# KiCad board arena_10_of_10_v1r1.kicad_pcb (continued)
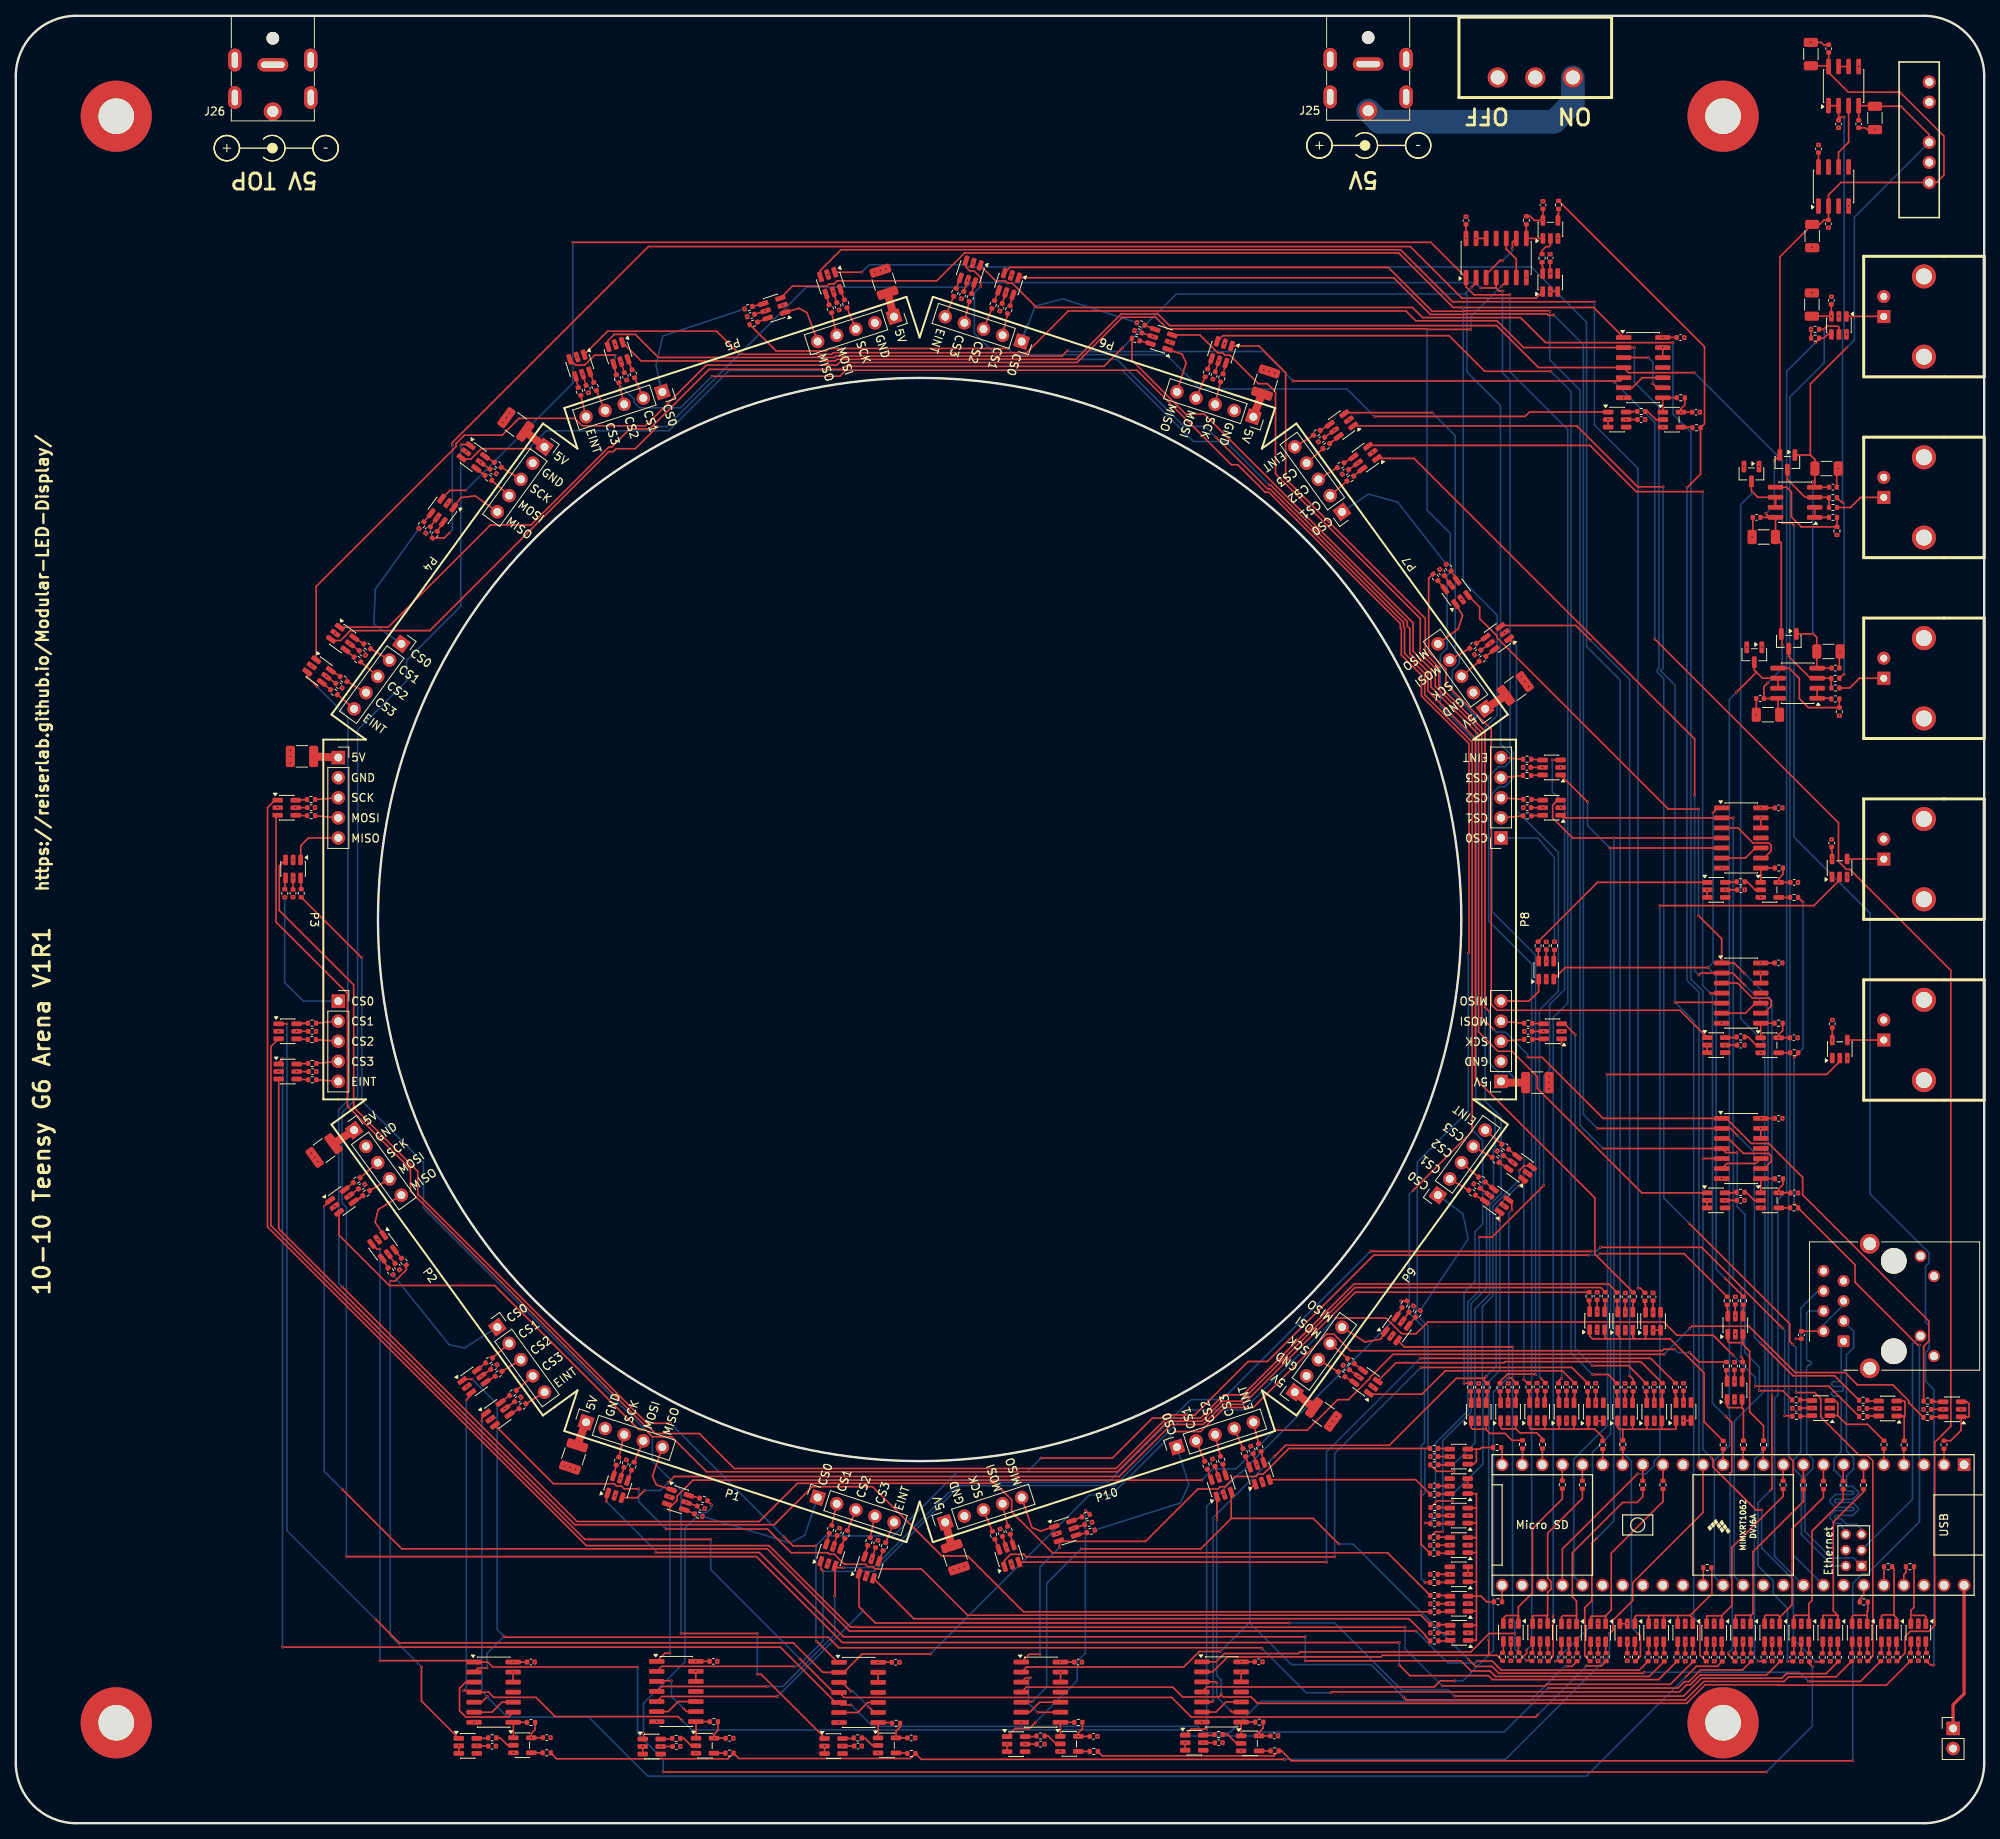
[diagram p0: board, top side]
## Routing (per net, layer and track width the routed paths; a pad name or vN(x,y) marks a point on that pad's centre or on a via; arc(x,y) is an arc through that point) (continued)
/Fan Out/PAN.CS_03_P1: length 165.4
  Top w0.2: U89.5 81.69,16.03 v1(96.31,16.03) ; v1(181.95,16.07) 210.88,16.07 213.15,18.34 223.33,18.34 223.91,18.92 228.92,18.92 R54.2 ; v1(161.04,25.32) 108.69,25.32 v1(107.04,26.97) 106.64,27.37 U45.1
  Bottom w0.2: v1(161.04,25.32) 166.78,25.32 175.22,16.88 181.14,16.88 v1(181.95,16.07) ; v1(107.04,26.97) 107.04,26.75 v1(96.31,16.03)
/Fan Out/PAN.CS_03_P6: length 269.6
  Top w0.2: U65.1 123.92,195.07 125.11,195.07 125.4,194.78 126.01,194.78 129.08,191.71 176.62,191.71 177.9,190.43 190.29,190.43 193.45,187.26 v1(209.56,187.26) ; R55.2 228.4,20.43 v1(227.63,20.43) ; U99.5 v1(213.36,84.07) ; v1(214.44,46.18) 214.63,45.99 214.63,45.05 220.07,39.61 v1(220.78,39.61)
  Bottom w0.2: v1(227.63,20.43) 224.79,23.27 224.79,30.8 220.78,34.81 v1(220.78,39.61) ; v1(209.56,187.26) 209.56,178.22 211.83,175.95 211.83,106.75 213.36,105.22 v1(213.36,84.07) 213.36,47.27 v1(214.44,46.18)
/Fan Out/PAN.CS_04_P2: length 257
  Top w0.2: U47.3 45.64,72.62 v1(46.05,72.62) ; v1(227.18,19.82) 226.82,20.18 R56.2 ; v1(46.05,20.56) 57.78,20.56 U91.1 59.67,20.39 60.31,19.75 v1(78.63,19.75) ; v1(81.87,6.47) v1(221.38,6.47)
  Bottom w0.2: v1(78.63,19.75) 78.63,11.33 81.87,8.09 v1(81.87,6.47) ; v1(46.05,72.62) v1(46.05,20.56) ; v1(227.18,19.82) 227.18,12.28 v1(221.38,6.47)
/Fan Out/PAN.CS_04_P7: length 157
  Top w0.2: v1(212.8,128.27) 208.98,128.27 187.33,149.92 187.33,150.14 185.12,152.36 185.12,153.82 U67.3 ; v1(222.09,54.12) 222.09,42.3 v1(221.89,42.09) ; v1(212.8,114.79) 215.71,111.87 U102.1 217.29,108.8 v1(218.65,107.45) ; R57.2 v1(224.04,20.48)
  Bottom w0.2: v1(224.04,20.48) 224.04,27.21 222.25,29 222.25,30.63 220.3,32.58 220.3,40.51 v1(221.89,42.09) ; v1(212.8,114.79) v1(212.8,128.27) ; v1(222.09,54.12) 222.09,104.01 v1(218.65,107.45)
/Fan Out/PAN.CS_05_P2: length 208.3
  Top w0.2: v1(59.6,19.63) 58.46,19.63 U91.2 ; v1(166.27,16.49) 166.39,16.61 210.4,16.61 211.3,17.51 211.75,17.51 213,18.75 221.4,18.75 R58.2 ; U48.1 56.64,56.15 v1(57.71,56.15) ; v1(157.61,22.08) 157.5,22.19 104.07,22.19 102.74,23.52 61.85,23.52 v1(61.74,23.63)
  Bottom w0.2: v1(166.27,16.49) 163.2,16.49 v1(157.61,22.08) ; v1(57.71,56.15) 60.87,53 60.87,24.5 v1(61.74,23.63) 59.6,21.48 v1(59.6,19.63)
/Fan Out/PAN.CS_05_P7: length 179.9
  Top w0.2: v1(212.83,107.28) 213.08,107.53 U102.2 217.13,107.53 v1(218.65,106.01) ; U68.1 176.82,172.62 212.3,137.13 v1(212.3,130.02) ; R59.2 v1(220.37,20.48)
  Bottom w0.2: v1(220.37,20.48) 219.87,20.98 219.87,46.03 221.58,47.74 221.58,103.07 v1(218.65,106.01) ; v1(212.3,130.02) 212.3,107.81 v1(212.83,107.28)
/Fan Out/PAN.CS_06_P2: length 207.2
  Top w0.2: R60.2 218.36,19.38 213.06,19.38 211.59,17.91 211.02,17.91 210.2,17.09 v1(193.78,17.09) ; v1(84.27,12.97) 83.76,13.49 68.2,13.49 65.78,15.91 60.45,15.91 59.78,16.58 U91.4 57.75,16.78 v1(56.59,16.78) ; v1(56.97,53.54) 57.59,54.16 U48.3
  Bottom w0.2: v1(84.27,12.97) 85.44,11.8 147.4,11.8 148.17,11.03 156.53,11.03 157.02,11.53 188.22,11.53 v1(193.78,17.09) ; v1(56.97,53.54) 56.97,17.15 v1(56.59,16.78)
/Fan Out/PAN.CS_06_P7: length 196.4
  Top w0.2: U68.3 171.12,174.26 199.07,174.26 204.92,168.42 v1(213.32,168.42) ; v1(216.79,44.23) 217,44.45 217,50.68 v1(216.26,51.42) ; v1(216.6,21.57) 216.6,21.27 R61.2 ; U102.4 v1(214.28,104.99)
  Bottom w0.2: v1(216.6,21.57) 217.07,22.04 217.07,30.89 216.79,31.18 v1(216.79,44.23) ; v1(213.32,168.42) 213.32,105.95 v1(214.28,104.99) 214.55,104.72 214.55,53.13 v1(216.26,51.42)
/Fan Out/PAN.CS_07_P2: length 204.7
  Top w0.2: v1(58.93,50.89) 58.93,51.32 U49.1 ; v1(211.21,18.53) 212.52,19.85 215.18,19.85 R62.2 ; 57.95,15.31 58.91,15.31 v1(59.62,16.01)
  Bottom w0.2: v1(58.93,50.89) 58.93,16.71 v1(59.62,16.01) 59.62,15.95 62.15,13.42 72.43,13.42 79.91,5.95 198.63,5.95 v1(211.21,18.53)
/Fan Out/PAN.CS_07_P7: length 199.4
  Top w0.2: R63.2 212.98,21.27 v1(212.98,25.23) ; v1(209.82,103.82) 215.61,103.82 U102.5 ; U69.1 197.4,176.73 205.11,169.02 v1(208.32,169.02)
  Bottom w0.2: v1(208.32,169.02) 208.32,146.09 208.03,145.81 208.03,145.72 209.82,143.93 v1(209.82,103.82) 212.18,101.46 212.18,26.02 v1(212.98,25.23)
/Fan Out/PAN.CS_08_P3: length 267.5
  Top w0.2: v1(200.34,72.04) 210.97,72.04 R64.2 ; v1(101.17,35.08) 98.28,35.08 v1(97.14,36.21) ; v1(82.78,50.57) 79.82,50.57 50.83,79.57 50.83,82.45 42.72,90.56 42.72,106.04 33.32,115.44 33.32,121.04 34.11,121.84 ; v1(129.65,46.18) 138.69,46.18 143.74,51.24 144.96,51.24 145.36,51.64 149.09,51.64 155.85,58.4 158.29,58.4 171.73,71.85 v1(198.88,71.85) ; U94.1 103.93,20.35 v1(101.27,23.01)
  Bottom w0.2: v1(129.65,46.18) 127.86,44.4 119.04,44.4 110.98,36.34 102.44,36.34 v1(101.17,35.08) 101.17,23.11 v1(101.27,23.01) ; v1(198.88,71.85) 200.15,71.85 v1(200.34,72.04) ; v1(97.14,36.21) v1(82.78,50.57)
/Fan Out/PAN.CS_08_P8: length 84.8
  Top w0.2: v1(214.63,127.79) 215.27,128.43 U103.1 ; v1(216.17,68.92) R65.2 ; 194.49,106.77 195.94,108.22 v1(213.98,108.22)
  Bottom w0.2: v1(216.17,68.92) 215.02,70.07 215.02,107.18 v1(213.98,108.22) 214.63,108.87 v1(214.63,127.79)
/Fan Out/PAN.CS_09_P3: length 273.9
  Top w0.2: R66.2 212.87,58.33 v1(211.67,59.52) ; v1(209.76,59.94) 208.4,59.94 208.21,59.76 168.77,59.76 166.68,61.85 165.76,61.85 156.48,52.57 152.86,52.57 149.83,49.54 v1(146.56,49.54) ; v1(115.67,21.41) 107.03,21.41 104.7,19.08 U94.2 102.05,19.08 98.33,22.8 48.49,22.8 v1(45.52,25.77) ; U52.1 v1(34.28,101.11)
  Bottom w0.2: v1(45.52,25.77) 34.28,37.02 v1(34.28,101.11) ; v1(211.67,59.52) 210.18,59.52 v1(209.76,59.94) ; v1(115.67,21.41) 135.76,41.5 138.53,41.5 v1(146.56,49.54)
/Fan Out/PAN.CS_09_P8: length 91.3
  Top w0.2: R67.2 218.38,58.8 v1(218.18,58.99) ; U72.1 195.7,127.16 v1(217.19,127.16)
  Bottom w0.2: v1(217.19,127.16) 217.19,68.82 218.18,67.83 v1(218.18,58.99)
/Fan Out/PAN.CS_10_P3: length 223.8
  Top w0.2: v1(87.88,35.89) 71.96,35.89 32.26,75.6 32.26,98.23 U52.3 ; v1(99.16,20.8) 103.41,16.54 U94.4 104.74,15.9 146.18,15.9 148.65,13.43 192.19,13.43 v1(192.47,13.71) ; R68.2 200.52,19.9 v1(198.58,19.9)
  Bottom w0.2: v1(192.47,13.71) 198.58,19.82 v1(198.58,19.9) ; v1(87.88,35.89) 87.88,32.08 v1(99.16,20.8)
/Fan Out/PAN.CS_10_P8: length 131.2
  Top w0.2: U103.4 v1(202.07,124.62) 196.87,124.62 194.35,127.14 194.35,128.75 194.99,129.39 U72.3 ; v1(199.92,36.04) 199.31,35.44 199.31,28.13 198.41,27.23 198.41,21.17 R69.2
  Bottom w0.2: v1(202.07,124.62) 202.09,124.6 202.09,38.22 v1(199.92,36.04)
/Fan Out/PAN.CS_11_P3: length 247.3
  Top w0.2: v1(196.12,19.84) 196.78,19.84 R70.2 ; v1(33.73,22.27) 96.68,22.27 103.68,15.27 U94.5 104.41,14.96 v1(105.62,14.96) ; U53.1 33.25,96.22 v1(33.73,96.7)
  Bottom w0.2: v1(105.62,14.96) 108.34,12.24 149.45,12.24 150.26,11.43 153.48,11.43 157.47,15.42 191.44,15.42 195.86,19.84 v1(196.12,19.84) ; v1(33.73,96.7) v1(33.73,22.27)
/Fan Out/PAN.CS_11_P8: length 132.5
  Top w0.2: v1(198.76,129.17) U73.1 ; U103.5 v1(201.58,123.35) ; R71.2 v1(194.68,20.49)
  Bottom w0.2: v1(194.68,20.49) 199.39,25.2 199.39,46.94 201.69,49.24 201.69,123.24 v1(201.58,123.35) 198.76,126.17 v1(198.76,129.17)
/Fan Out/PAN.CS_12_P4: length 339.3
  Top w0.2: R72.2 194.42,21.12 v1(194.42,26.23) ; U55.3 54.9,168.58 v1(56.88,168.58) ; v1(188.94,193.35) 188.9,193.31 184.41,193.31 183.4,194.33 U95.1 178.94,199.95 v1(70.43,199.95)
  Bottom w0.2: v1(56.88,168.58) 70.43,182.12 v1(70.43,199.95) ; v1(188.94,193.35) 188.94,183.59 196.26,176.27 196.26,103.74 194.42,101.89 v1(194.42,26.23)
/Fan Out/PAN.CS_12_P9: length 97.1
  Top w0.2: v1(190.99,20.59) 191.65,20.59 R73.2 ; U106.1 151.78,20.41 152.83,21.46 162.19,21.46 162.4,21.66 183.99,21.66 186.33,24 v1(189.57,24) ; v1(189.28,60.24) 175.58,60.24 U75.3
  Bottom w0.2: v1(189.28,60.24) 189.28,25.79 189.57,25.49 v1(189.57,24) 189.57,22.01 v1(190.99,20.59)
/Fan Out/PAN.CS_13_P4: length 342.2
  Top w0.2: v1(139.96,186.61) 137.6,184.26 104.89,184.26 104.51,183.88 87.67,183.88 80.14,176.34 77.65,176.34 75.35,174.05 74.99,174.05 65.14,164.2 60.02,164.2 47.09,151.28 U56.1 ; 184.66,195.5 184.66,194.85 v1(184.11,194.29) ; R74.2 191.06,21.48 v1(191.06,21.91)
  Bottom w0.2: 183.36,193.41 146.75,193.41 v1(139.96,186.61) ; 183.36,193.41 183.36,193.54 v1(184.11,194.29) ; 183.36,193.41 183.52,193.25 183.52,183.54 187.75,179.31 187.75,136.47 188.97,135.26 188.97,134.3 188.29,133.63 187.51,133.63 186.25,132.37 186.25,114.11 191.69,108.67 191.69,22.54 v1(191.06,21.91)
/Fan Out/PAN.CS_13_P9: length 95.9
  Top w0.2: 186.26,21.23 172.83,21.23 172.63,21.04 153.26,21.04 151.36,19.14 U106.2 ; 186.26,21.23 v1(186.26,23.18) ; 186.26,21.23 187.31,21.23 R75.2 ; v1(187.67,76.19) 187.67,77.29 U76.1
  Bottom w0.2: v1(187.67,76.19) 187.67,57.25 186.26,55.85 v1(186.26,23.18)
/Fan Out/PAN.CS_14_P4: length 315.3
  Top w0.2: v1(188,193.79) 187.59,193.79 187.2,194.18 ; U95.4 187.2,195.49 187.2,194.18 ; v1(192.18,56.71) 192.09,56.8 188.63,56.8 187.69,55.86 R76.2 ; 187.2,194.18 v1(185.27,194.18) ; v1(81.13,176.63) 78.35,173.85 75.92,173.85 75.55,173.48 74.99,173.48 52.35,150.84 42.33,150.84 41.06,149.58 40.01,149.58 U56.3
  Bottom w0.2: v1(81.13,176.63) 82.33,176.63 99.98,194.28 120.21,194.28 120.78,194.85 184.59,194.85 v1(185.27,194.18) ; v1(192.18,56.71) 192.18,109.81 186.67,115.33 186.67,130.19 187.56,131.09 188.29,131.09 189.37,132.16 189.37,135.42 188.97,135.83 188.97,182.48 188,183.45 v1(188,193.79)
/Fan Out/PAN.CS_14_P9: length 98.5
  Top w0.2: v1(188.8,56.29) 189.11,56.29 R77.2 ; U106.4 150.63,17.24 179.37,17.24 180.14,18 v1(181.95,18) ; U76.3 189.18,78.43 v1(189.18,77.56)
  Bottom w0.2: v1(189.18,77.56) 188.8,77.18 v1(188.8,56.29) 188.63,56.29 186.86,54.52 186.86,21.85 183.01,18 v1(181.95,18)
/Fan Out/PAN.CS_15_P4: length 318.5
  Top w0.2: v1(187.85,194.38) 188.47,195.01 U95.5 ; U57.1 37.98,156.43 55.68,174.13 55.68,174.51 56.74,175.56 61.5,175.56 63.63,177.68 70.68,177.68 71.63,176.74 77.48,176.74 77.48,176.74 79.63,176.74 87.31,184.42 103.83,184.42 104.16,184.75 134.21,184.75 139.93,190.47 144.15,190.47 145.6,189.01 178.39,189.01 v1(178.47,188.94) v1(184,188.94) ; R78.2 v1(183.14,55.64)
  Bottom w0.2: v1(178.47,188.94) 178.47,166.07 181.41,163.12 181.41,158.26 180.99,157.84 180.99,148.6 180.15,147.76 180.15,141.28 184.19,137.25 184.19,87.65 185.5,86.35 185.5,75.77 184.53,74.8 184.53,68.51 183.14,67.12 v1(183.14,55.64) ; v1(184,188.94) 184,190.53 v1(187.85,194.38)
/Fan Out/PAN.CS_15_P9: length 94.3
  Top w0.2: U106.5 151.27,15.33 v1(151.41,15.47) ; 185.69,56.26 185.69,56.01 R79.2 ; 185.69,56.26 182.17,56.26 173.7,47.8 160.56,47.8 v1(159.13,46.36) ; 185.69,56.26 v1(185.94,56.52) ; v1(190.17,80.57) 190.62,81.02 U77.1
  Bottom w0.2: v1(190.17,80.57) 189.95,80.57 187.2,77.81 187.2,57.77 v1(185.94,56.52) ; v1(151.41,15.47) 151.41,38.64 v1(159.13,46.36)
/Fan Out/PAN.CS_16_P5: length 269.7
  Top w0.2: R80.2 179.7,44.5 v1(181.89,44.5) ; U98.1 199.52,191.71 v1(183.04,191.71) 181.78,191.71 174.88,198.61 119.98,198.61 116.45,195.08 103.86,195.08 103.47,194.7 102.86,194.7 102.57,194.4 98.2,194.4 96.69,192.89
  Bottom w0.2: v1(181.89,44.5) 181.89,45.48 184.51,48.09 184.51,65.05 186.39,66.93 186.39,78.21 187.84,79.65 187.84,89.29 185.81,91.31 185.81,138.6 187.33,140.12 187.33,152.8 183.04,157.08 v1(183.04,191.71)
/Fan Out/PAN.CS_16_P10: length 69.9
  Top w0.2: v1(129.51,21.36) 128.13,21.36 U107.1 ; 131.98,35.64 142.87,35.64 149.49,42.27 152,42.27 152.3,42.56 152.91,42.56 154.2,43.85 156.84,43.85 157.13,44.14 157.75,44.14 161,47.4 178.85,47.4 R81.2 ; 131.98,35.64 v1(131.98,34.85) ; 131.98,35.64 131.91,35.71
  Bottom w0.2: v1(131.98,34.85) 129.51,32.38 v1(129.51,21.36)
/Fan Out/PAN.CS_17_P5: length 320.6
  Top w0.2: v1(212.26,183.47) 203.96,183.47 U98.4 203.31,184.11 192.56,184.11 187.26,189.42 145.9,189.42 144.45,190.87 139.76,190.87 134.04,185.15 103.84,185.15 103.64,184.95 79.07,184.95 U60.1 ; v1(242.55,19.99) 242.16,19.99 R82.2 ; v1(223.4,164.47) 224.58,164.47 v1(224.87,164.18)
  Bottom w0.2: v1(212.26,183.47) 223.4,172.33 v1(223.4,164.47) ; v1(224.87,164.18) 224.87,124.71 234.49,115.1 234.49,79.6 241.92,72.17 241.92,70.84 241.49,70.42 241.49,63.39 241.96,62.93 241.96,59.95 241.52,59.52 241.52,55.9 242.55,54.86 v1(242.55,19.99)
/Fan Out/PAN.CS_17_P10: length 141.3
  Top w0.2: U80.1 v1(151.89,38.38) ; 152.42,16.22 152.17,15.97 147.55,15.97 146.31,17.21 127.78,17.21 U107.4 ; 152.42,16.22 152.67,15.97 156.23,15.97 157.03,15.16 211.3,15.16 213.64,17.51 222.89,17.51 222.94,17.46 236.53,17.46 R83.2 ; 152.42,16.22 v1(152.42,16.35)
  Bottom w0.2: v1(151.89,38.38) 151.86,38.35 151.86,18.67 152.42,18.1 v1(152.42,16.35)
/Fan Out/PAN.CS_18_P5: length 316.9
  Top w0.2: R84.2 238.92,21.51 238.92,23.61 239.57,24.26 241.91,24.26 242.66,25.01 242.66,48.17 244.7,50.2 244.7,107.87 231.92,120.64 231.5,120.64 230.49,121.65 230.49,126.53 v1(207.26,149.76) ; v1(132.99,186.26) 132.28,185.55 103.67,185.55 103.5,185.39 81.26,185.39 78.34,188.31 75.68,188.31 74.9,187.53 U60.3 ; v1(161.51,182.42) 202.14,182.42 ; 202.14,182.42 202.91,182.42 U98.5 ; 202.14,182.42 v1(202.14,182.28)
  Bottom w0.2: v1(207.26,149.76) 207.26,177.16 v1(202.14,182.28) ; v1(161.51,182.42) 157.79,186.14 133.12,186.14 v1(132.99,186.26)
/Fan Out/PAN.CS_18_P10: length 139
  Top w0.2: U80.3 153.7,38.55 ; 153.7,38.55 164.06,38.55 v1(167.31,35.31) ; 153.7,38.55 149.85,34.7 v1(134.73,34.7) ; v1(183.69,20.73) 184.59,19.83 186.69,19.83 187.56,18.96 205.81,18.96 v1(205.94,19.1) ; v1(226.69,17.93) 233.28,17.93 R85.2 ; v1(128.54,15.38) 127.23,15.38 U107.5
  Bottom w0.2: v1(205.94,19.1) 225.53,19.1 v1(226.69,17.93) ; v1(134.73,34.7) 130.36,30.33 130.36,17.21 v1(128.54,15.38) ; v1(167.31,35.31) 169.11,35.31 v1(183.69,20.73)
/Fan Out/PAN.CS_19_P5: length 320.5
  Top w0.2: v1(224.71,60.56) 224.33,60.94 224.33,63.14 v1(211.67,75.81) ; v1(204.68,186.64) U98.2 190.68,186.64 187.29,190.03 177.04,190.03 175.79,191.27 133.11,191.27 127.83,186 103.38,186 103.17,185.79 91.54,185.79 88.62,188.71 74.85,188.71 U61.1 ; R86.2 234.83,21.14 234.83,45.84 234.16,46.52 233.12,46.52 228.26,51.38 228.26,53.68 227.48,54.46 v1(225.14,54.46)
  Bottom w0.2: v1(211.67,75.81) 208.4,79.08 208.4,144.79 207.59,145.6 207.59,145.93 207.79,146.13 207.79,179.16 204.68,182.27 v1(204.68,186.64) ; v1(225.14,54.46) 225.14,60.14 v1(224.71,60.56)
/Fan Out/PAN.CS_19_P10: length 131.5
  Top w0.2: U107.2 127.79,19.75 147.69,19.75 149.66,21.71 v1(152.34,21.71) ; v1(175.47,15.96) 175.85,15.58 211.13,15.58 213.48,17.93 223.61,17.93 224.19,18.52 230.19,18.52 R87.2 ; U81.1 156.64,42.86 v1(156.04,42.27)
  Bottom w0.2: v1(152.34,21.71) 155.95,25.33 156.04,25.33 ; v1(175.47,15.96) 171.37,20.06 161.31,20.06 156.04,25.33 ; 156.04,25.33 v1(156.04,42.27)
/Fan Out/PAN.EINT_P1: length 73.8
  Top w0.2: R93.2 178.29,23.62 178.29,23.75 176.18,25.86 113.57,25.86 U45.3
/Fan Out/PAN.EINT_P2: length 129.7
  Top w0.2: v1(82.24,37.2) 95.06,37.2 98.06,34.21 102.7,34.21 102.9,34.01 103.51,34.01 104.73,32.79 104.85,32.79 104.9,32.74 107.45,32.74 107.74,32.45 108.35,32.45 108.65,32.16 114.51,32.16 120.37,26.3 177.69,26.3 R94.2 ; U49.3 67.98,42.94 75.67,42.94 75.97,42.64 76.58,42.64 76.92,42.3 v1(78.77,42.3)
  Bottom w0.2: v1(82.24,37.2) 78.77,40.67 v1(78.77,42.3)
/Fan Out/PAN.EINT_P3: length 188.6
  Top w0.2: R95.2 127.44,26.74 120.37,33.8 117.11,33.8 108.35,42.56 100.73,42.56 95.92,37.75 70.68,37.75 33.25,75.19 U53.3
/Fan Out/PAN.EINT_P4: length 239.2
  Top w0.2: R96.2 173.48,34.2 131.1,34.2 125.94,39.36 125.94,40.9 123.85,42.99 98.84,42.99 94.01,38.16 70.97,38.16 v1(41.28,67.84) ; U57.3 36.87,144.99 v1(38.12,143.74)
  Bottom w0.2: v1(41.28,67.84) 40.84,68.29 40.84,90.24 41.99,91.39 41.99,139.87 v1(38.12,143.74)
/Fan Out/PAN.EINT_P5: length 255.4
  Top w0.2: R97.2 v1(178.21,30.45) ; v1(75.77,185.67) 73.19,185.67 71.93,184.42 70.79,184.42 U61.3 ; v1(183.69,110.06) 183.77,110.14 183.77,136.55 177.76,142.57 177.76,145.21 175.22,147.75 175.22,151.02 175.09,151.15 175.09,151.72 158.45,168.35 157.99,168.35 154.52,171.82 153.72,171.82 141.77,183.77 104.97,183.77 104.21,183.01 v1(88.04,183.01)
  Bottom w0.2: v1(75.77,185.67) 75.77,182.53 78.2,180.1 78.2,179.7 78.87,179.03 84.05,179.03 v1(88.04,183.01) ; v1(178.21,30.45) 177.72,30.94 177.72,41.33 178.19,41.8 178.19,47.32 178.57,47.69 178.57,62.85 177.09,64.34 177.09,65.1 177.23,65.24 177.23,83.62 183.69,90.08 v1(183.69,110.06)
/Fan Out/PAN.EINT_P6: length 206.1
  Top w0.2: v1(122.02,194.36) 122.02,195.49 121.17,196.34 120.63,196.34 120.15,196.82 U65.3 ; R88.2 177.71,35.27 v1(177.71,42) ; v1(176.7,80.04) 184.17,87.51 184.17,136.72 178.16,142.73 178.16,145.43 175.62,147.97 175.62,151.19 175.49,151.32 175.49,151.88 158.62,168.76 158.3,168.76 v1(151.77,175.28)
  Bottom w0.2: v1(151.77,175.28) 150.38,176.68 147.72,176.68 139.25,185.14 124.54,185.14 121.22,188.46 121.22,193.56 v1(122.02,194.36) ; v1(176.7,80.04) 176.22,79.56 176.22,64.52 178.14,62.6 178.14,48.17 177.71,47.74 v1(177.71,42)
/Fan Out/PAN.EINT_P7: length 161.4
  Top w0.2: v1(179.12,178.41) 168.15,178.41 U69.3 ; v1(180.45,36.87) 179.53,36.87 R89.2
  Bottom w0.2: v1(179.12,178.41) 182.03,175.5 182.03,148.17 182.54,147.66 182.54,146.68 181.67,145.81 181.67,142.91 184.63,139.95 184.63,91.72 187.06,89.29 187.06,85.42 186.86,85.22 186.86,79.25 185.99,78.38 185.99,67.65 184.02,65.69 184.02,51.98 180.45,48.4 v1(180.45,36.87)
/Fan Out/PAN.EINT_P8: length 107.4
  Top w0.2: v1(185.07,74.13) 186.68,74.13 v1(193.21,80.66) ; R90.2 178.8,37.98 v1(178.22,37.98) ; U73.3 v1(194.31,134.48)
  Bottom w0.2: v1(185.07,74.13) 185.07,67.35 183.62,65.9 183.62,52.14 179.53,48.05 179.53,38.81 178.7,37.98 v1(178.22,37.98) ; v1(194.31,134.48) 194.31,130.44 195.86,128.89 195.86,105.45 193.96,103.56 193.96,95.26 193.21,94.51 v1(193.21,80.66)
/Fan Out/PAN.EINT_P9: length 50.4
  Top w0.2: R91.2 179.75,40.77 v1(181.72,40.77) ; v1(190.13,82.56) 190.73,83.15 191.57,83.15 U77.3
  Bottom w0.2: v1(190.13,82.56) 190.13,81.38 186.79,78.04 186.79,66.68 185.46,65.35 185.46,56.32 185.54,56.24 185.54,45.43 181.72,41.62 v1(181.72,40.77)
/Fan Out/PAN.EINT_P10: length 21.1
  Top w0.2: U81.3 177.02,43.45 R92.2
/Fan Out/PAN.MISO_B0_P1: length 34.4
  Top w0.2: U90.1 79.38,10.75 v1(79.38,11.37) ; R98.2 v1(87.98,40.27)
  Bottom w0.2: v1(79.38,11.37) 79.38,15.16 84.61,20.4 84.61,37.29 86.61,39.29 87.35,39.29 87.98,39.91 v1(87.98,40.27)
/Fan Out/PAN.MISO_B0_P2: length 64.7
  Top w0.2: U93.1 51.29,15.45 v1(51.29,19.78) ; R106.2 49.38,69.98 47.96,68.57 v1(47.35,68.57)
  Bottom w0.2: v1(51.29,19.78) 47.35,23.72 v1(47.35,68.57)
/Fan Out/PAN.MISO_B0_P3: length 139.7
  Top w0.2: v1(93.77,24) v1(84.14,24) ; v1(43.75,109.46) R114.2 ; v1(93.77,18.82) 94.27,18.82 102.27,10.82 U97.1
  Bottom w0.2: v1(43.75,109.46) 43.75,91.37 51.55,83.57 51.55,77.81 80.5,48.86 80.5,45.76 84.14,42.12 v1(84.14,24) ; v1(93.77,24) v1(93.77,18.82)
/Fan Out/PAN.MISO_B0_P4: length 165.2
  Top w0.2: v1(54.81,163.19) 54.17,162.54 R122.2 ; U101.1 192.24,192.87 182.89,192.87 176.35,199.42 80,199.42 55.21,174.62 v1(55.21,174.33)
  Bottom w0.2: v1(55.21,174.33) 55.21,163.58 v1(54.81,163.19)
/Fan Out/PAN.MISO_B0_P5: length 113.9
  Top w0.2: R130.2 96.14,186.21 102.47,186.21 102.78,186.53 v1(125.48,186.53) ; v1(171.8,177.93) 190.87,177.93 191.42,178.48 U105.1
  Bottom w0.2: v1(125.48,186.53) 126.27,185.74 145.49,185.74 149.83,181.4 168.33,181.4 v1(171.8,177.93)
/Fan Out/PAN.MISO_B1_P6: length 145.5
  Top w0.2: R138.2 141.14,185.03 147.94,178.23 150.28,178.23 176.69,151.82 176.69,148.23 178.97,145.95 178.97,143.72 184.98,137.71 184.98,100.07 187.42,97.63 189.2,97.63 192.41,94.42 192.41,92.94 205.62,79.73 U109.1
/Fan Out/PAN.MISO_B1_P7: length 87
  Top w0.2: R146.2 178.67,157.44 178.67,148.14 180.86,145.95 180.86,144.1 186.59,138.37 186.59,103.56 187.33,102.82 210.44,102.82 U113.1
/Fan Out/PAN.MISO_B1_P8: length 24.5
  Top w0.2: U117.1 200.02,119 R154.2
/Fan Out/PAN.MISO_B1_P9: length 68.2
  Top w0.2: R162.2 v1(175.13,66.06) ; v1(150.59,11.91) 148.66,11.91 147.88,11.13
  Bottom w0.2: v1(175.13,66.06) 175.13,64.53 154.88,44.27 154.78,44.27 150.59,40.08 v1(150.59,11.91)
/Fan Out/PAN.MISO_B1_P10: length 34.5
  Top w0.2: v1(128.96,12.76) 128.19,12 126.41,12 U125.1 ; R170.2 v1(135.26,39.59)
  Bottom w0.2: v1(128.96,12.76) 134.22,18.03 134.22,20.48 135.26,21.52 v1(135.26,39.59)
/Fan Out/PAN.MOSI_B0_P1: length 133
  Top w0.2: v1(82.5,43.09) 83.27,43.85 139.54,43.85 146.12,50.44 150.16,50.44 152.69,52.97 155.21,52.97 169.39,67.16 198.95,67.16 ; U42.3 78.58,41.17 v1(79.49,42.08)
  Bottom w0.2: v1(82.5,43.09) 81.49,42.08 v1(79.49,42.08)
/Fan Out/PAN.MOSI_B0_P2: length 185.3
  Top w0.2: R34.2 200.42,67.75 169.34,67.75 154.96,53.38 152.53,53.38 149.99,50.84 145.95,50.84 145.95,50.84 145.69,50.84 139.3,44.45 87.35,44.45 82.92,48.88 80.5,48.88 79.61,49.77 78.79,49.77 60.54,68.01 47.23,68.01 40.87,74.37 U46.3
/Fan Out/PAN.MOSI_B0_P3: length 231.9
  Top w0.2: R35.2 201.43,68.19 169.21,68.19 155.2,54.18 152.76,54.18 149.82,51.24 145.79,51.24 145.79,51.24 145.52,51.24 139.15,44.86 90.86,44.86 86.44,49.28 80.87,49.28 79.98,50.17 79.66,50.17 49.91,79.92 49.91,82.74 41.93,90.71 41.93,104.96 32.92,113.97 32.92,127.29 U50.3
/Fan Out/PAN.MOSI_B0_P4: length 234.3
  Top w0.2: R36.2 199.69,71.98 199.69,79.09 184.58,94.2 184.58,137.22 178.56,143.23 178.56,145.67 176.29,147.94 176.29,151.08 175.97,151.41 175.97,151.98 158.68,169.26 v1(158.5,169.26) ; v1(65.11,173.85) 58.86,173.85 57.53,172.53 56.54,172.53 U54.3
  Bottom w0.2: v1(158.5,169.26) 153.01,174.75 148.91,174.75 139.92,183.74 90.2,183.74 82.57,176.11 67.07,176.11 65.11,174.14 v1(65.11,173.85)
/Fan Out/PAN.MOSI_B0_P5: length 230.7
  Top w0.2: v1(205.14,67.67) 205.43,67.67 R37.2 ; v1(199.63,192.43) 181.69,192.43 175.12,199.01 104.35,199.01 101.76,196.42 U58.3
  Bottom w0.2: v1(205.14,67.67) 205.14,171.35 199.63,176.86 v1(199.63,192.43)
/Fan Out/PAN.MOSI_B1_P6: length 177
  Top w0.2: v1(199.39,56.74) 201.37,56.74 R43.2 ; U62.3 152.65,188.14 181.25,188.14 185.76,183.64 v1(194.13,183.64)
  Bottom w0.2: v1(194.13,183.64) 196.67,181.1 196.67,59.46 v1(199.39,56.74)
/Fan Out/PAN.MOSI_B1_P7: length 108.5
  Top w0.2: v1(199.16,149.6) 197.27,151.49 187.87,151.49 U66.3 ; v1(204.08,56.58) 204.54,56.12 R44.2
  Bottom w0.2: v1(199.16,149.6) 204.08,144.68 v1(204.08,56.58)
/Fan Out/PAN.MOSI_B1_P8: length 52.8
  Top w0.2: v1(199.37,57.87) 203.94,57.87 R45.2 ; U70.3 195.83,101.11 v1(197.2,99.74)
  Bottom w0.2: v1(197.2,99.74) 197.2,60.04 v1(199.37,57.87)
/Fan Out/PAN.MOSI_B1_P9: length 38.1
  Top w0.2: U74.3 174.55,58.24 188.19,58.24 188.32,58.37 205.5,58.37 R46.2
/Fan Out/PAN.MOSI_B1_P10: length 103.2
  Top w0.2: U78.3 v1(165.75,33.02) ; R47.2 206.74,58.8 v1(177.6,58.8)
  Bottom w0.2: v1(177.6,58.8) 165.75,46.95 v1(165.75,33.02)
/Fan Out/PAN.SCK_B0_P1: length 146.8
  Top w0.2: v1(74.7,40.67) 74.7,41.6 U42.1 ; v1(163.06,23.57) 104.68,23.57 94.02,34.23 v1(80.94,34.23) ; v1(163.06,20.54) 182.76,20.54 184.04,19.26 186.41,19.26 187.11,18.56 206.56,18.56 R28.2
  Bottom w0.2: v1(74.7,40.67) 80.94,34.43 v1(80.94,34.23) ; v1(163.06,23.57) 163.06,23.57 v1(163.06,20.54)
/Fan Out/PAN.SCK_B0_P2: length 213.1
  Top w0.2: U46.1 v1(39,78.03) ; v1(41.28,42.22) 48.8,34.71 95.02,34.71 105.42,24.31 v1(177.05,24.31) ; R29.2 205.3,19.36 187.85,19.36 186.71,20.5 v1(184.8,20.5)
  Bottom w0.2: v1(184.8,20.5) 184.55,20.25 181.11,20.25 v1(177.05,24.31) ; v1(41.28,42.22) 39,44.51 v1(39,78.03)
/Fan Out/PAN.SCK_B0_P3: length 262
  Top w0.2: U50.1 32.77,129.39 31.83,128.45 31.83,75.42 72.15,35.11 95.26,35.11 105.58,24.79 v1(175.68,24.79) ; v1(180.39,17.36) 180.4,17.36 193.38,17.36 193.58,17.57 209.23,17.57 R30.2
  Bottom w0.2: v1(180.39,17.36) 175.68,22.07 v1(175.68,24.79)
/Fan Out/PAN.SCK_B0_P4: length 325.7
  Top w0.2: v1(174.95,22.85) 104.52,22.85 93.65,33.72 v1(41.81,33.72) ; v1(56.28,174.37) 57.35,174.37 U54.1 ; R31.2 207.74,18.16 186.72,18.16 186.22,18.66 176.3,18.66 v1(174.95,20.01)
  Bottom w0.2: v1(41.81,33.72) 41.81,77.9 41.27,78.44 41.27,89.89 43.22,91.84 43.22,138.27 49.43,144.49 49.43,147.09 56.28,153.93 v1(56.28,174.37) ; v1(174.95,20.01) v1(174.95,22.85)
/Fan Out/PAN.SCK_B0_P5: length 270.9
  Top w0.2: R32.2 205.44,21.11 205.44,23.66 v1(205.12,23.98) ; U58.1 v1(106.96,196.17)
  Bottom w0.2: v1(106.96,196.17) 107.91,197.11 120.15,197.11 120.42,196.84 191.64,196.84 198.63,189.85 198.63,148.83 202.89,144.57 202.89,47.21 204.3,45.8 204.3,24.81 v1(205.12,23.98)
/Fan Out/PAN.SCK_B1_P6: length 149.7
  Top w0.2: v1(190.69,56.1) 191.12,55.67 R38.2 ; U62.1 157.21,186.84 160.58,183.47 160.58,170.04 178.24,152.38 178.24,147.94 179.95,146.23 179.95,143.94 185.78,138.11 185.78,103.21 v1(186.35,102.64)
  Bottom w0.2: v1(190.69,56.1) 190.69,93.07 188.74,95.03 187.47,95.03 186.35,96.14 v1(186.35,102.64)
/Fan Out/PAN.SCK_B1_P7: length 98
  Top w0.2: v1(192.88,56.25) 193.41,55.72 R39.2 ; v1(189.45,149.25) 189.4,149.25 U66.1
  Bottom w0.2: v1(189.45,149.25) 189.77,148.93 189.77,128.07 195.07,122.77 195.07,105.23 192.68,102.85 192.68,56.45 v1(192.88,56.25)
/Fan Out/PAN.SCK_B1_P8: length 43.7
  Top w0.2: v1(195.48,98.52) 195.48,98.52 U70.1 ; v1(195.48,56.29) 195.07,55.89 R40.2
  Bottom w0.2: v1(195.48,98.52) 195.48,98.52 v1(195.48,56.29)
/Fan Out/PAN.SCK_B1_P9: length 28
  Top w0.2: U74.1 171.22,54.26 177.82,54.26 180.79,57.22 195.57,57.22 197.13,55.66
